# Altium PCB EA08AI-V2.PcbDoc (continued)
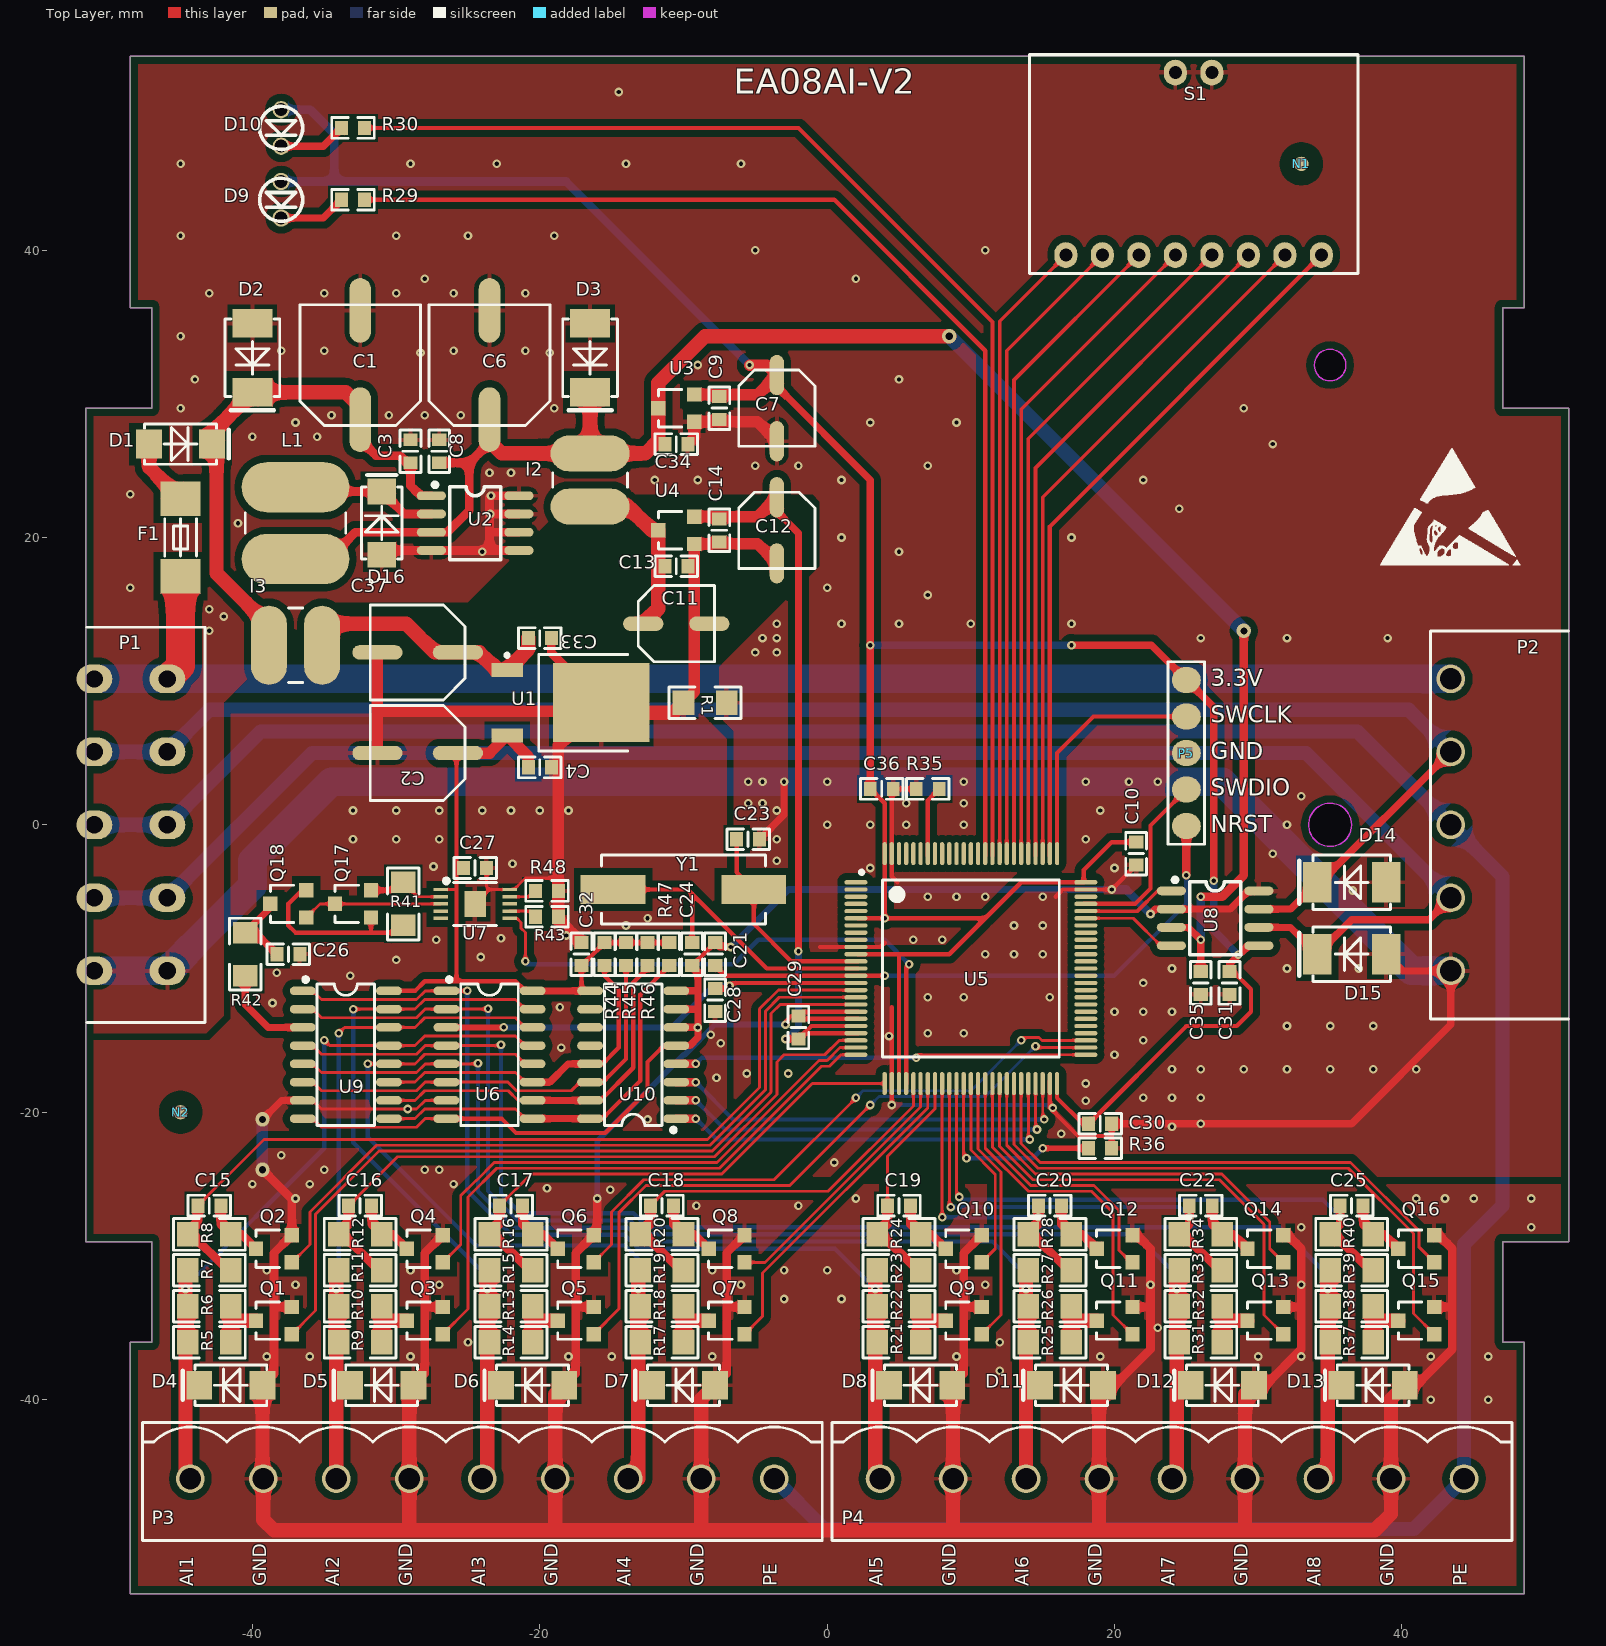
[diagram p0: Top Layer view]
## Nets (pads, with @x,y where several pads share a name; then routed paths per layer and width w, separated by ;. In a path a pad name is that pad's centre, name@x,y a point inside that pad or via, vN(x,y) a via of type N, cw(c..) or ccw(c..) an arc to the next point about the centre after c; other vN are vias at no path point)
3.3V: C7.1 C9.2 C10.2 C30.2 C31.2 C36.2 D9.1 D10.1 P5.1 U3.2 U5.6 U5.11 U5.28 U5.50 U5.75 U5.100 U8.5 | length 204.6
  Top Layer w0.3: U5.11@2.146,-9 8.5,-9 11,-6.5 ; U5.6@2.146,-6.5 v1(4,-6.5) ; C36.2 4,1.5 4,-2.146 v1(4,-6.5) ; U5.28@5,-17.854 5,-9.1 ; U5.50@16,-17.854 16,-19 17.8,-20.8 C30.2 25,-14 28.5,-14 29.5,-13 29.5,-11.447 28.253,-10.2 C31.2 ; C10.2 19.8,-1.2 17.854,-3.146 17.854,-4 13.5,-4 11,-6.5 ; v1(4,-6.5) 11,-6.5
  Top Layer w0.5: C7.1 -3.5,30.5 3,24 C36.2 ; v1(17,12.5) 22.58,12.5 P5.1 26.9,8.18 v1(26.9,-3.9) ; C31.2 28,-9.7 29.295,-8.405 U8.5
  Top Layer w0.8: U3.2 -4.85,29.95 C7.1 -4.2,32 v1(-5.4,32)
  Bottom Layer w0.5: v1(3,12.5) v1(17,12.5) ; v1(26.9,-3.9) 26.9,-7.34 v1(28.6,-9.04)
  Bottom Layer w0.6: D9.1 -34.3,44.77 ; D10.1 -35.97,49.77 -34.3,48.1 -34.3,44.77 ; v1(-5.4,32) -18.17,44.77 -34.3,44.77
5V: C6.1 C8.2 C34.2 C35.2 D3.2 I2.2 L1.2 U2.3 U3.3 U8.3 | length 122
  Top Layer w0.5: U8.3 25.135,-7.135 v1(26,-8) C35.2
  Top Layer w0.6: L1.2 -34.7,18.5 -32.835,20.365 U2.3 -26.435,20.365 -24.9,21.9 -24.9,25.2 ; C8.2 -24.9,25.2 ; C6.1 -23.5,26.7 -23.5,26.6 -24.9,25.2 ; v1(26,-5) 27.5,-5 29,-3.5 v2(29,13.5)
  Top Layer w1: C6.1@-23.5,26.7 -22.65,25.85 I2.2 ; D3.2 I2.2 ; v2(8.5,34) -8.5,34 -11.75,30.75 U3.3 -11.75,26.75 -12.65,25.85 I2.2
  Bottom Layer w0.6: v1(26,-8) v1(26,-5)
  Bottom Layer w1: v2(8.5,34) v2(29,13.5)
24V: C1.1 C3.2 D1.2 D2.2 I3.2 U2.1 | length 38.1
  Top Layer w0.6: C1.1 -32.5,26.8 -31.4,25.7 -29.753,25.7 -29.253,25.2 C3.2 -29,23.6 -28.305,22.905 U2.1
  Top Layer w1: I3.2 -38.85,13.85 -42.5,17.5 -42.5,26.2 D1.2 -42.8,27.3 D2.2 -33.5,30.1 -32.5,29.1 C1.1
A: R44.1 U6.11 U9.11 U10.13 | length 23.7
  Top Layer w0.2: U9.11 -28.675,-17.905 -28.005,-17.235 -21.695,-17.235 -21.025,-17.905 U6.11
  Top Layer w0.3: U10.13 -15.635,-16.635 -14.5,-15.5 -14.5,-11.5 -15.5,-10.5 R44.1
  Top Layer w0.5: U6.11 -19.305,-17.905 -18.035,-16.635 U10.13
A3.3V: C12.1 C14.2 C29.2 U4.2 U5.21 U5.22 | length 54.1
  Top Layer w0.3: C12.1@-3.5,22.5 C12.1 ; C29.2 C29.2@-1.6,-14.5 ; U5.22@2.146,-14.5 U5.22 C29.2@-1.6,-14.5 ; U5.21@2.146,-14 -1.1,-14 C29.2@-1.6,-14.5
  Top Layer w0.5: C12.1@-3.5,22.5 -3.5,21.8 -2,20.3 v1(-2,-8.8) ; v1@-2.8,-14.9 C29.2
  Top Layer w0.8: U4.2 -4.85,21.45 C12.1
  Bottom Layer w0.5: v1(-2.9,-14.9) -2.839,-14.9 -2,-14.061 v1(-2,-8.8)
A12V: C2.1 C4.2 C27.2 C32.2 R44.2 R45.2 R46.2 R47.2 U1.3 U6.16 U7.1 U9.16 U10.9 | length 46.3
  Top Layer w0.2: U7.1 -25.8,-4.5
  Top Layer w0.3: U9.16 -28.675,-11.555 -28.005,-10.885 -25.8,-10.885 ; C2.1 -25.8,4.9 -25.8,-4.5 -25.8,-10.885 ; U6.16 -21.025,-11.555 -21.695,-10.885 -25.8,-10.885 ; U10.9@-17.1,-11.555 C32.2 R44.2 R45.2 R46.2 R47.2
  Top Layer w0.5: U6.16 U10.9@-17.1,-11.555
  Top Layer w0.8: C2.1 -23.495,5 U1.3 -20.8,4.745 C4.2
AGND: C2.2 C4.1 C11.2 C12.2 C13.1 C14.1 C26.2 C27.1 C28.1 C29.1 C32.1 C33.1 C37.2 D4.1 D5.1 D6.1 D7.1 D8.1 D11.1 D12.1 D13.1 P3.2 P3.4 P3.6 P3.8 P4.2 P4.4 P4.6 P4.8 Q1.2 Q2.2 Q3.2 Q4.2 Q5.2 Q6.2 Q7.2 Q8.2 Q9.2 Q10.2 Q11.2 Q12.2 Q13.2 Q14.2 Q15.2 Q16.2 R1.2 R43.2 R48.2 U1.2 U4.1 U5.19 U5.20 U6.7 U7.10 U7.11 U9.7 | length 392.3
  Top Layer w0.2: U9.7 -35.795,-19.175 -35.195,-19.775 -28.571,-19.775 -27.971,-19.175 U6.7 ; U7.11 -23.5,-4.5 ; C27.1 -23.7,-4.3 -23.5,-4.5 ; -18.7,-3.7 -21,-3.7 -21.8,-4.5 U7.10 -23.5,-4.5
  Top Layer w0.3: v1@-3,-13.8 -2.5,-13.3 C29.1 ; U5.20@2.146,-13.5 -1.8,-13.5 C29.1 ; U5.19@2.146,-13 -1.7,-13 C29.1
  Top Layer w0.5: v2(-39.3,-20.5) -37.975,-19.175 U9.7
  Top Layer w0.6: D4.1 -38.5,-38.2 -38.5,-29.8 Q2.2 -37.25,-26.05 v2(-39.3,-24) ; -38.45,-33.55 Q1.2 ; D5.1@-28,-38.2 -28,-29.8 Q4.2 ; -27.95,-33.55 Q3.2 ; C33.1 -19.2,11.975 U1.2 ; D6.1@-17.5,-38.2 -17.5,-29.8 Q6.2 -16,-28.3 v1(-16,-26) ; -17.45,-33.55 Q5.2 ; D7.1@-7,-38.2 -7,-29.8 Q8.2 ; -6.95,-33.55 Q7.2 ; D8.1@9.5,-38.2 9.5,-29.8 Q10.2 ; 9.55,-33.55 Q9.2 ; D11.1 20,-39 22.5,-36.5 22.5,-33.5 ; Q11.2 22.45,-33.55 22.5,-33.5 ; Q12.2 21.55,-28.55 22.5,-29.5 22.5,-33.5 ; D12.1@30.5,-39 33,-36.5 33,-29.5 Q14.2@32.05,-28.55 ; Q13.2 32.95,-33.55 ; D13.1@41,-39 43.5,-36.5 43.5,-29.5 Q16.2@42.55,-28.55 ; Q15.2 43.45,-33.55
  Top Layer w0.8: C2.2 C37.2 ; -31.2,7.9 -15.725,7.9 -18.7,5.525 -18.7,-3.7 R48.2 R43.2 -18.7,-6.6 C32.1 ; R1.2 -9.25,9.25 C11.2@-9.25,14 ; C11.2 C11.2@-9.25,14 ; C12.2 -4.85,19.55 U4.1 C11.2@-9.25,14
  Top Layer w1: D4.1 -39.3,-45.44 P3.2 -39.24,-48.36 -38.5,-49.1 38.1,-49.1 39.24,-47.96 P4.8 39.24,-39.96 D13.1 ; -29.08,-49.02 P3.4 -29.08,-39.28 D5.1 ; -18.92,-48.98 P3.6 -18.92,-39.62 D6.1 ; U1.2 -15.025,7.8 -10.7,7.8 R1.2 ; -8.76,-48.94 P3.8 -8.76,-39.96 D7.1 ; D8.1 8.76,-39.06 P4.2 8.76,-49.04 ; 18.92,-48.52 P4.4 18.92,-39.28 D11.1 ; 29.08,-48.98 P4.6 29.08,-39.62 D12.1
  Bottom Layer w0.4: v1(-16,-26) -16,-22 -10,-16 -9.91,-16 -7.81,-13.9 v1(-2.9,-13.9)
  Bottom Layer w0.8: v2(-39.3,-24) v2(-39.3,-20.5)
  other v1: 42,-40 46,-40 12,-38 -39,-37 -36,-37 -29,-37 -18,-37 -15,-37 -8,-37 9,-37 19,-37 30,-37 33,-37 42,-37 46,-37 -25,-36 12,-36 23,-35 -3,-33 1,-33 -37,-32 -27,-32 -6,-32 11,-32 22.5,-32 33,-32 -39,-31 -29,-31 -8,-31 -3,-31 0,-31 9,-31 33,-28 49,-28 -9.1,-26.5 -2,-26.5 -37,-26 2,-26 41,-26 43,-26 45,-26 49,-26 -15.1,-25.4 -19.5,-25.3 -40,-25 -36,-25 -26,-25 -35,-24 -28,-24 -27,-24 -38,-23 -12.5,-20.5 -29.2,-19.775 -7.7,-17.6 -18.5,-15.5 -7.4,-15.2 -8.1,-14.6 -18.6,-12.7 -38.6,-12.4 -33.2,-10.5 -38.3,-10.3 -30,-9.4 -24.1,-9.2 -27.2,-8 -22.7,-7.9 -18.163,-7.703 -14,-7 -12.5,-6.5 -27.4,-2.9 -21.9,-2.7 -33,-1 -30,-1 -27,-1 -33,1 -30,1 -27,1 -24,1 -22,1 -20,1 -18,1
B: R46.1 U6.10 U9.10 U10.15 | length 26
  Top Layer w0.2: U9.10 -28.675,-19.175 -28.005,-18.505 -22.195,-18.505 -21.525,-19.175 U6.10
  Top Layer w0.3: U10.15 -15.775,-19.175 -13.5,-16.9 -13.5,-10.967 -12.5,-9.967 R46.1
  Top Layer w0.5: U6.10 U10.15
C: R47.1 U6.9 U9.9 U10.16 | length 27.5
  Top Layer w0.2: U9.9 -28.675,-20.445 -28.005,-19.775 -21.695,-19.775 U6.9@-21.025,-20.445
  Top Layer w0.3: U10.16 -15.645,-20.445 -13,-17.8 -13,-11.8 R47.1
  Top Layer w0.5: U6.9 U10.16
CAN-H: D14.2 P1.2 P2.4 U8.7 | length 114.6
  Top Layer w0.5: U8.7 32.235,-5.865 D14.2 34.32,-4 P2.4
  Bottom Layer w1: P1.2@-50.85,5.08 -45.92,5.08 -43,8 40.48,8 P2.4
CAN-L: D15.2 P1.4 P2.2 U8.6 | length 118.5
  Top Layer w0.5: U8.6 32.235,-7.135 D15.2 36.5,-6.6 41.88,-6.6 P2.2
  Bottom Layer w1: P1.4@-51,-5.08 -45.92,-5.08 -35.84,5 33.32,5 P2.2
CAN-RXD: U5.70 U8.4 | length 6.9
  Top Layer w0.2: U5.70@17.854,-6.5 21.3,-6.5 23.205,-8.405 U8.4
CAN-TXD: U5.71 U8.1 | length 6.7
  Top Layer w0.25: U5.71@17.854,-6 21.6,-6 23.005,-4.595 U8.1
DA1: U5.29 U7.6 | length 40.3
  Top Layer w0.2: U7.6 -21.6,-6.5 -21.3,-6.8 -21.3,-7.2 -21,-7.5 v1(-21,-9.5)
  Top Layer w0.3: U5.29 5.5,-9.9 v1(5.7,-9.7)
  Bottom Layer w0.3: v1@-21,-9.6 -20.9,-9.7 -6.5,-9.7 -4.8,-8 4,-8 v1(5.7,-9.7)
GND: C1.2 C3.1 C6.2 C7.2 C8.1 C9.1 C10.1 C21.1 C23.1 C24.1 C30.1 C31.1 C34.1 C35.1 C36.1 D2.1 D3.1 D14.1 D15.1 D16.1 P1.5 P2.1 P5.3 R1.1 R35.2 R36.2 S1.12 S1.13 U2.4 U2.5 U2.6 U2.7 U2.8 U3.1 U5.10 U5.27 U5.49 U5.74 U5.99 U6.8 U8.2 U8.8 U9.8 U10.5 U10.6 U10.7 U10.8 | length 304.4
  Top Layer w0.2: U9.8 -35.795,-20.445 -35.195,-21.045 -28.571,-21.045 -27.971,-20.445 U6.8
  Top Layer w0.3: U6.8 -22.655,-20.445 -21.65,-21.45 -15.45,-21.45 -12.5,-18.5 -12.5,-16.5 -11.365,-15.365 U10.5 ; C24.1 -8.6,-9 C21.1 ; -0.5,-8.5 3.7,-8.5 4,-8.2 ; v1(4.5,-19.5) 4.5,-12.7 ; 4.9,-4 4.5,-3.6 4.5,2.4 C36.1 R35.2 ; U5.49@15.5,-17.854 15.5,-19.7 17.45,-21.65 19.75,-21.65 19.8,-21.7 ; 15.9,-5 16.4,-4.5 U5.74 v1(19.8,-4.5) C10.1 ; R36.2 19.8,-21.7 ; C30.1 19.8,-21.7
  Top Layer w0.5: U10.5 -9.565,-15.365 -9,-14.8 v1(-9,-14.1) -9,-10.2 C24.1 ; U10.6 v1@-9.095,-14.095 ; U10.7 -9.025,-12.825 ; U10.8 -9.045,-11.555 ; C21.1 -7.5,-8.5 v1(-6.7,-8.5) ; C23.1 -3,0.7 v1(-3,3) ; C30.1 36.5,-20.8 43.4,-13.9 P2.1 40.06,-10.16 D15.1 ; v1(22.5,-6.2) 22.835,-5.865 U8.2 28.035,-5.865 29.305,-4.595 U8.8
  Top Layer w0.6: D16.1 -30.705,19.095 U2.4 -23.5,19.095 ; -23.465,20.365 U2.6 ; v1(-23.435,21.635) U2.7 ; U2.5 -23.5,19.095 ; U2.8 v1(-23.395,22.905) -23.5,22.8 -23.5,19.095
  Top Layer w0.8: C34.1 -9.25,26.95 U3.1 -4.85,28.05 C7.2
  Bottom Layer w0.3: v1(4.5,-19.5) 15.5,-19.5 v1(15.7,-19.7)
  Bottom Layer w0.5: v1(-6.7,-8.5) -2.7,-4.5 v1(19.8,-4.5)
  Bottom Layer w0.6: v1(19.8,-4.5) 20.8,-4.5 v1(22.5,-6.2)
  Bottom Layer w2: P1.5@-50.35,-10.16 -45.92,-10.16 -40,-4.24 -40,-2.5 -34.5,3 v1(-3,3) v1(0,3) v1(9.5,3) v1(18,3) v1(21,3) v1(23,3) 27.5,3 40.66,-10.16 P2.1
  other v1: 0.5,-23.5 16.3,-21.5 24,-21 26,-20.8 18,-19.2 22,-19 24,-19 26,-19 18,-18 -5.6,-17.3 -2.7,-17.3 24,-17 26,-17 29,-17 32,-17 35,-17 38,-17 41,-17 20,-16 22,-15 4.3,-14.7 7,-14.5 9.5,-14.5 32,-14 35,-14 38,-14 20,-13 22,-13 24,-13 7,-12 9.5,-12 15.5,-12 22,-11 24,-10 32,-10 37,-10 11,-9 13,-9 15,-9 6,-8 8,-8 13,-7 15,-7 7,-5 9,-5 11,-5 15,-5 36.564,-4.571 3,-3 20,-3 -3.5,-2.5 31,-2 -3.5,-1 18,-1 0,0 3,0 5.5,0 9.5,0 32,0 -3.5,1 19,1 -5.5,1.5 -4.5,1.5 5.5,1.5 9.5,1.5 33,2 -5.5,3 -4.5,3 -5,12 -3.5,12 -4.5,13 -3.5,13 26,13 32,13 39,13 -43,13.5 -3.5,14 1,14 5,14 10,14 17,14 -42,14.5 -43,15 7,16 -48.5,16.5 0,16.5 -24,19 5,19 1,20 17,20 -41,21 24.5,22 -48.5,23 -12,24 -9,24 1,24 22,24 -23.5,24.5 -22,24.5 -5,25 -2,25 7,25 31,26.5 -40,27 -35.5,27 -37,28 3,28 9,28 -34.5,28.5 -30.5,28.5 -28,28.5 -25.5,28.5 -45,29 -19,29 29,29 -44,31 5,31 -9,32 -28.3,32.85 -19.3,32.85 -38,33 -35,33 -26,33 -21,33 -45,34 -43,37 -35,37 -30,37 -26,37 -21,37 -28,38 2,38 -5,40 11,40 -45,41 -30,41 -25,41 -19,41 -45,46 -29,46 -23,46 -14,46 -6,46 -14.5,51
INH: R45.1 U6.6 U9.6 U10.14 | length 30.7
  Top Layer w0.2: U9.6 -35.795,-17.905 -35.195,-18.505 -28.571,-18.505 -27.971,-17.905 U6.6 -22.229,-17.905 -21.629,-18.505 -17.805,-18.505 -17.205,-17.905 U10.14
  Top Layer w0.3: U10.14 -15.605,-17.905 -14,-16.3 R45.1
NetC11_1: C11.1 C13.2 I2.1 U4.3 | length 12.4
  Top Layer w1: I2.1 -13.85,22.15 -12.2,20.5 U4.3 -11.75,15.05 C11.1
NetC15_1: C15.1 Q2.3 R8.1 | length 4.5
  Top Layer w0.6: C15.1 -42.2,-27.8 R8.1 -40.75,-28.5 Q2.3
NetC16_1: C16.1 Q4.3 R12.1 | length 4.5
  Top Layer w0.6: C16.1 -31.7,-27.8 R12.1 -30.25,-28.5 Q4.3
NetC17_1: C17.1 Q6.3 R16.1 | length 4.5
  Top Layer w0.6: C17.1 -21.2,-27.8 R16.1 -19.75,-28.5 Q6.3
NetC18_1: C18.1 Q8.3 R20.1 | length 4.5
  Top Layer w0.6: C18.1 -10.7,-27.8 R20.1 -9.25,-28.5 Q8.3
NetC19_1: C19.1 Q10.3 R24.1 | length 4.5
  Top Layer w0.6: C19.1 5.8,-27.8 R24.1 7.25,-28.5 Q10.3
NetC20_1: C20.1 Q12.3 R28.1 | length 4.5
  Top Layer w0.6: C20.1 16.3,-27.8 R28.1 17.75,-28.5 Q12.3
NetC22_1: C22.1 Q14.3 R34.1 | length 4.5
  Top Layer w0.6: C22.1 26.8,-27.8 R34.1 28.25,-28.5 Q14.3
NetC23_2: C23.2 U5.12 Y1.2 | length 14.8
  Top Layer w0.3: C23.2 -6.3,-3.3 Y1.2 ; Y1.2@-5.2,-4.5 Y1.2 ; U5.12@2.146,-9.5 -2.5,-9.5 -5.1,-6.9 Y1.2
NetC24_2: C24.2 U5.13 Y1.1 | length 22.2
  Top Layer w0.3: Y1.1@-14.4,-4.5 -9.7,-4.5 -9.4,-4.8 ; C24.2 -9.4,-4.8 ; U5.13@2.146,-10 -4.2,-10 -9.4,-4.8
NetC25_1: C25.1 Q16.3 R40.1 | length 4.5
  Top Layer w0.6: C25.1 37.3,-27.8 R40.1 38.75,-28.5 Q16.3
NetC26_1: C26.1 Q18.3 R42.2 | length 5.5
  Top Layer w0.5: Q18.3 -38.75,-5.75 R42.2 -39.8,-7.5 C26.1
NetC33_2: C33.2 C37.1 I3.1 U1.1 | length 17.9
  Top Layer w1: I3.1 -35.15,12.95 -34.1,14 -29.3,14 -27.3,12 C37.1 -24.2,12 -22.98,10.78 U1.1 -20.8,12.255 C33.2
NetD1_1: D1.1 F1.2 | length 4.7
  Top Layer w1: D1.1 -47.2,24.9 F1.2
NetD9_2: D9.2 R29.2 | length 4.7
  Top Layer w0.5: D9.2 -35.07,42.23 R29.2
NetD10_2: D10.2 R30.2 | length 4.7
  Top Layer w0.5: D10.2 -35.07,47.23 R30.2
NetD16_2: D16.2 L1.1 U2.2 | length 10.2
  Top Layer w0.6: L1.1 -36.7,23.2 D16.2 -29.435,21.635 U2.2
NetQ1_3: Q1.3 R5.1 R6.1 | length 4.2
  Top Layer w1: R5.1 R6.1 ; -41.4,-34.5 Q1.3
NetQ3_3: Q3.3 R9.1 R10.1 | length 4.2
  Top Layer w1: R9.1 R10.1 ; -30.9,-34.5 Q3.3
NetQ5_3: Q5.3 R13.1 R14.1 | length 4.2
  Top Layer w1: R14.1 R13.1 ; -20.4,-34.5 Q5.3
NetQ7_3: Q7.3 R17.1 R18.1 | length 4.2
  Top Layer w1: R17.1 R18.1 ; -9.9,-34.5 Q7.3
NetQ9_3: Q9.3 R21.1 R22.1 | length 4.2
  Top Layer w1: R21.1 R22.1 ; 6.6,-34.5 Q9.3
NetQ11_3: Q11.3 R25.1 R26.1 | length 4.2
  Top Layer w1: R25.1 R26.1 ; 17.1,-34.5 Q11.3
NetQ13_3: Q13.3 R31.1 R32.1 | length 4.2
  Top Layer w1: R31.1 R32.1 ; 27.6,-34.5 Q13.3
NetQ15_3: Q15.3 R37.1 R38.1 | length 4.2
  Top Layer w1: R37.1 R38.1 ; 38.1,-34.5 Q15.3
NetQ17_1: Q17.1 Q18.2 R41.2 | length 12.6
  Top Layer w0.3: Q18.2 -36.55,-4.55 -37.5,-5.5 -37.5,-7 -37,-7.5 -30,-7.5 R41.2 ; -31.75,-7.45 Q17.1
NetQ17_2: Q17.2 R41.1 U7.2 | length 5.5
  Top Layer w0.2: R41.1 -28.5,-5 U7.2
  Top Layer w0.4: Q17.2 -30.05,-4.55 R41.1
NetQ17_3: Q17.3 Q18.1 U7.3 | length 9.7
  Top Layer w0.2: Q18.1 -35.3,-5.5 Q17.3 U7.3
NetR35_1: R35.1 U5.94 | length 5
  Top Layer w0.3: U5.94@7,-2.146 7,1.7 R35.1
NetR36_1: R36.1 U5.37 | length 14.2
  Top Layer w0.2: U5.37@9.5,-17.854 9.5,-23 v1(9.7,-23.2)
  Top Layer w0.4: v1(15,-22.5) R36.1
  Bottom Layer w0.3: v1(9.7,-23.2) 14.3,-23.2 v1(15,-22.5)
NetR43_1: R43.1 U7.7 | length 2
  Top Layer w0.2: U7.7 -20.7,-6 R43.1
NetR48_1: R48.1 U7.9 | length 2
  Top Layer w0.2: U7.9 -20.7,-5 R48.1
NRST: C21.2 P5.5 U5.14 | length 40.6
  Top Layer w0.3: C21.2 -7.1,-10.5 2.146,-10.5 v1(4,-10.5)
  Top Layer w0.6: v1(25,-3.5) P5.5
  Bottom Layer w0.3: v1(4,-10.5) 19.965,-10.5 25,-5.465 v1(25,-3.5)
PE: P1.3 P2.3 P3.9 P4.9 | length 198.8
  Bottom Layer w1: P1.3@-51,0 -45.92,0 -39.42,6.5 36.9,6.5 P2.3 47,-3.6 47,-26.5 44.32,-29.18 P4.9 40.82,-49 -0.18,-49 P3.9
SWCLK: P5.2 U5.76 | length 17.2
  Top Layer w0.3: U5.76@16,-2.146 16,5 18.54,7.54 P5.2
SWDIO: P5.4 U5.72 | length 13
  Top Layer w0.3: U5.72@17.854,-5.5 21.428,-5.5 22.5,-4.428 22.5,-0.04 P5.4
VCC: F1.1 P1.1 P2.5 | length 101.3
  Top Layer w2: P1.1@-45.92,10.16 -45,11.08 F1.1
  Bottom Layer w2: P1.1@-50.35,10.16 -45.92,10.16 P2.5
地址1: S1.1 U5.84 | length 43.7
  Top Layer w0.25: U5.84@12,-2.146 12,35.04 S1.1
地址2: S1.2 U5.83 | length 44.6
  Top Layer w0.25: U5.83@12.5,-2.146 12.5,33 S1.2
地址3: S1.3 U5.82 | length 45.4
  Top Layer w0.25: U5.82@13,-2.146 13,30.96 S1.3
地址4: S1.4 U5.81 | length 46.2
  Top Layer w0.25: U5.81@13.5,-2.146 13.5,28.92 S1.4
地址5: S1.5 U5.80 | length 47.1
  Top Layer w0.25: U5.80@14,-2.146 14,26.88 S1.5
恒流源输出: R42.1 U9.3 | length 6.7
  Top Layer w0.5: R42.1 -40.5,-12.5 -38.905,-14.095 U9.3
故障指示灯: R29.1 U5.86 | length 82.7
  Top Layer w0.3: R29.1 0.5,43.5 11,33 U5.86@11,-2.146
模拟开关使能: U5.48 U10.3 | length 29.2
  Top Layer w0.2: v1@15,-20.4 U5.48@15,-17.854
  Top Layer w0.6: U10.3 v1(-9.145,-17.905)
  Bottom Layer w0.3: v1(-9.145,-17.905) -6.55,-20.5 v1(15.1,-20.5)
波特率1: S1.6 U5.79 | length 47.9
  Top Layer w0.25: U5.79@14.5,-2.146 14.5,24.84 S1.6
波特率2: S1.7 U5.78 | length 48.8
  Top Layer w0.25: U5.78@15,-2.146 15,22.8 S1.7
波特率3: S1.8 U5.77 | length 49.6
  Top Layer w0.3: U5.77@15.5,-2.146 15.5,20.76 S1.8
运行指示灯: R30.1 U5.85 | length 86.4
  Top Layer w0.3: R30.1 -2,48.5 11.5,35 U5.85@11.5,-2.146
通道1: D4.2 P3.1 R5.2 R6.2 R7.2 U6.13 U9.13 | length 51.1
  Top Layer w0.2: v1(-35,-15) -34.635,-15.365 U9.13 -28.675,-15.365 -28.005,-14.695 -21.695,-14.695 -21.025,-15.365 U6.13
  Top Layer w1: P3.1@-44.66,-45.5 v1(-44.66,-32.3) -44.66,-31.16 R7.2
  Bottom Layer w0.3: v1(-44.66,-32.3) -44.66,-32.16 -35,-22.5 v1(-35,-15)
通道1分压器使能: Q2.1 U5.17 | length 51.4
  Top Layer w0.2: Q2.1 -36,-29.2 -36,-26.934 -31.366,-22.3 -8.163,-22.3 -4.3,-18.437 -4.3,-12.969 -3.331,-12 U5.17
通道1取样电阻使能: Q1.1 U5.18 | length 55.9
  Top Layer w0.2: Q1.1 -35.6,-33.8 -35.6,-27.1 -31.2,-22.7 -7.997,-22.7 -3.9,-18.603 -3.9,-13.134 -3.266,-12.5 U5.18
通道1电压/电流: C15.2 R7.1 R8.2 U5.16 | length 61.5
  Top Layer w0.2: C15.2 -39.2,-21.9 -8.328,-21.9 -4.7,-18.272 -4.7,-12.803 -3.397,-11.5 U5.16
  Top Layer w0.6: C15.2 -43.8,-27.8 R8.2 -44.2,-28.5 -41.7,-31 R7.1
通道2: D5.2 P3.3 R9.2 R10.2 R11.2 U6.14 U9.14 | length 46.7
  Top Layer w0.2: v1(-34,-14.5) -33.595,-14.095 U9.14 -28.675,-14.095 -28.005,-13.425 -21.695,-13.425 -21.025,-14.095 U6.14
  Top Layer w1: P3.3 v1(-34.16,-32.3) -34.16,-31.16 R11.2
  Bottom Layer w0.3: v1(-34.16,-32.3) -34,-32.14 v1(-34,-14.5)
通道2分压器使能: Q4.1 U5.24 | length 36.9
  Top Layer w0.2: Q4.1 -25.5,-29.2 -25.5,-25.8 -24.45,-24.75 -24.416,-24.75 -23.166,-23.5 -7.666,-23.5 -0.566,-16.4 0,-16.4 0.9,-15.5 U5.24
通道2取样电阻使能: Q3.1 U5.25 | length 41.4
  Top Layer w0.2: Q3.1 -25,-33.7 -25,-25.9 -23,-23.9 -7.5,-23.9 -0.4,-16.8 0.166,-16.8 0.966,-16 U5.25
通道2电压/电流: C16.2 R11.1 R12.2 U5.23 | length 47.7
  Top Layer w0.2: C16.2 -29.9,-23.1 -7.831,-23.1 -3.5,-18.769 -3.5,-16.5 -3,-16 -0.166,-16 0.834,-15 U5.23
  Top Layer w0.6: C16.2 -33.3,-27.8 R12.2 -33.7,-28.5 -31.2,-31 R11.1
通道3: D6.2 P3.5 R13.2 R14.2 R15.2 U6.15 U9.15 | length 50.9
  Top Layer w0.2: v1(-32.975,-12.825) U9.15 -28.675,-12.825 -28.005,-12.155 -21.695,-12.155 -21.025,-12.825 U6.15
  Top Layer w1: P3.5@-23.66,-45.5 -23.66,-31.16 R15.2
  Bottom Layer w0.3: v1(-32.975,-12.825) -32.975,-22.125 -23.66,-31.44 v1(-23.66,-32.3)
通道3分压器使能: Q6.1 U5.53 | length 42.1
  Top Layer w0.2: Q6.1 -15,-29.2 -15,-26.934 -12.766,-24.7 -3.7,-24.7 v1(2,-19) ; v1(13.5,-15) 13.7,-14.8 14.749,-14.8 14.949,-15 U5.53
  Bottom Layer w0.2: v1(2,-19) 2.5,-18.5 10,-18.5 v1(13.5,-15)
通道3取样电阻使能: Q5.1 U5.52 | length 46.5
  Top Layer w0.2: Q5.1 -14.5,-33.7 -14.5,-27 -12.6,-25.1 -2.6,-25.1 v1(3,-19.5) ; v1(14.5,-15.4) 14.6,-15.5 U5.52
  Bottom Layer w0.2: v1(3,-19.5) 3.6,-18.9 11,-18.9 v1(14.5,-15.4)
通道3电压/电流: C17.2 R15.1 R16.2 U5.26 | length 36.8
  Top Layer w0.2: C17.2 -20.6,-24.3 -7.334,-24.3 -1.034,-18 U5.26 U5.26@4,-17.854
  Top Layer w0.6: C17.2 -22.8,-27.8 R16.2 -23.2,-28.5 -20.7,-31 R15.1
通道4: D7.2 P3.7 R17.2 R18.2 R19.2 U6.12 U9.12 | length 56.1
  Top Layer w0.2: v1(-31.965,-16.635) U9.12 -28.675,-16.635 -28.005,-15.965 -21.695,-15.965 -21.025,-16.635 U6.12
  Top Layer w1: P3.7@-13.16,-45.5 v1(-13.16,-32.3) -13.16,-31.16 R19.2
  Bottom Layer w0.3: v1(-31.965,-16.635) -31.965,-21.735 -24.43,-29.27 -14.065,-29.27 -13.16,-30.175 v1(-13.16,-32.3)
通道4分压器使能: Q8.1 U5.31 | length 18.5
  Top Layer w0.2: Q8.1 -4.319,-30.45 6.5,-19.631 U5.31@6.5,-17.854
通道4取样电阻使能: Q7.1 U5.32 | length 22.9
  Top Layer w0.2: Q7.1 -4.5,-34.2 -4.5,-31.197 7,-19.697 U5.32@7,-17.854
通道4电压/电流: C18.2 R19.1 R20.2 U5.30 | length 29.2
  Top Layer w0.2: C18.2 -11.3,-25.5 0.066,-25.5 6,-19.566 U5.30@6,-17.854
  Top Layer w0.6: C18.2 -12.3,-27.8 R20.2 -12.7,-28.5 -10.2,-31 R19.1
通道5: D8.2 P4.1 R21.2 R22.2 R23.2 U6.1 U9.1 | length 71.6
  Top Layer w0.2: U9.1 -35.795,-11.555 -35.195,-12.155 -28.571,-12.155 -27.971,-11.555 U6.1 v1(-25.055,-11.555)
  Top Layer w1: P4.1@3.34,-45.5 v1(3.34,-32.3) 3.34,-31.16 R23.2
  Bottom Layer w0.3: v1(-25.055,-11.555) -25.055,-25.445 -21.972,-28.528 -14.1,-28.528 -13.128,-29.5 0.54,-29.5 v1(3.34,-32.3)
通道5分压器使能: Q10.1 U5.38 | length 13.7
  Top Layer w0.2: U5.38@10,-17.854 10,-22.631 11.7,-24.331 11.7,-29.5 Q10.1
通道5取样电阻使能: Q9.1 U5.39 | length 19
  Top Layer w0.2: U5.39@10.5,-17.854 10.5,-22.566 12.1,-24.166 12.1,-34.1 Q9.1
  Top Layer w0.3: Q9.1 Q9.1@10.95,-35.45
通道5电压/电流: C19.2 R23.1 R24.2 U5.33 | length 16.3
  Top Layer w0.2: C19.2 4.2,-23.063 7.5,-19.763 U5.33@7.5,-17.854
  Top Layer w0.6: C19.2 4.2,-27.8 R24.2 3.8,-28.5 6.3,-31 R23.1
通道6: D11.2 P4.3 R25.2 R26.2 R27.2 U6.5 U9.5 | length 77.7
  Top Layer w0.2: U9.5 -35.795,-16.635 -35.195,-17.235 -28.571,-17.235 -27.971,-16.635 U6.5 -24.335,-16.635 v1(-24.3,-16.6)
  Top Layer w1: P4.3 v1(13.84,-32.3) 13.84,-31.16 R27.2
  Bottom Layer w0.3: v1(-24.3,-16.6) -24.3,-25.493 -21.765,-28.028 -13.893,-28.028 -12.921,-29 11.5,-29 13.84,-31.34 v1(13.84,-32.3)
通道6分压器使能: Q12.1 U5.41 | length 19.3
  Top Layer w0.2: U5.41@11.5,-17.854 11.5,-22.434 14.166,-25.1 18.566,-25.1 20.3,-26.834 20.3,-29.6 21.15,-30.45 Q12.1
通道6取样电阻使能: Q11.1 U5.40 | length 24.4
  Top Layer w0.2: U5.40@11,-17.854 11,-22.5 14,-25.5 18.4,-25.5 19.9,-27 19.9,-34.1 Q11.1
通道6电压/电流: C20.2 R27.1 R28.2 U5.34 | length 22.5
  Top Layer w0.2: v1(8,-27.3) U5.34@8,-17.854
  Top Layer w0.6: C20.2 14.7,-27.8 R28.2 14.3,-28.5 16.8,-31 R27.1
  Bottom Layer w0.3: v1(8,-27.3) v1(14.7,-27.3)
通道7: D12.2 P4.5 R31.2 R32.2 R33.2 U6.2 U9.2 | length 92
  Top Layer w0.2: U9.2 -35.795,-12.825 -35.195,-13.425 -28.571,-13.425 -27.971,-12.825 U6.2 -23.625,-12.825 v1(-23.6,-12.8)
  Top Layer w1: P4.5@24.34,-45.5 24.34,-31.16 R33.2
  Bottom Layer w0.3: v1(-23.6,-12.8) -23.6,-25.486 -21.558,-27.528 -13.686,-27.528 -12.714,-28.5 21.5,-28.5 24.34,-31.34 v1(24.34,-32.3)
通道7分压器使能: Q14.1 U5.43 | length 28.2
  Top Layer w0.2: U5.43@12.5,-17.854 12.5,-22.303 14.497,-24.3 27.466,-24.3 30.8,-27.634 30.8,-29.5 Q14.1
通道7取样电阻使能: Q13.1 U5.42 | length 33.4
  Top Layer w0.2: U5.42@12,-17.854 12,-22.369 14.331,-24.7 27.3,-24.7 30.4,-27.8 30.4,-34.1 Q13.1
通道7电压/电流: C22.2 R33.1 R34.2 U5.35 | length 31.9
  Top Layer w0.2: U5.35@8.5,-17.854 8.5,-26.5 v1(8.6,-26.6)
  Top Layer w0.6: C22.2 v1(25.2,-27.3) 25.2,-27.8 R34.2 24.8,-28.5 27.3,-31 R33.1
  Bottom Layer w0.3: v1@8.7,-26.6 24.5,-26.6 v1(25.2,-27.3)
通道8: D13.2 P4.7 R37.2 R38.2 R39.2 U6.4 U9.4 | length 100.1
  Top Layer w0.2: U9.4 -35.795,-15.365 -35.195,-15.965 -28.571,-15.965 -27.971,-15.365 U6.4 -22.765,-15.365 v1(-22.7,-15.3)
  Top Layer w1: P4.7@34.84,-45.5 34.84,-31.16 R39.2
  Bottom Layer w0.3: v1(-22.7,-15.3) -22.7,-25.679 -21.351,-27.028 -13.521,-27.028 -13.5,-27.007 -12.507,-28 31.5,-28 34.84,-31.34 v1(34.84,-32.3)
通道8分压器使能: Q16.1 U5.45 | length 37.2
  Top Layer w0.2: U5.45@13.5,-17.854 13.5,-22.172 14.828,-23.5 36.428,-23.5 41.2,-28.272 41.2,-29.4 Q16.1
通道8取样电阻使能: Q15.1 U5.44 | length 42.4
  Top Layer w0.2: U5.44@13,-17.854 13,-22.237 14.663,-23.9 36.263,-23.9 40.8,-28.437 40.8,-34 Q15.1
通道8电压/电流: C25.2 R39.1 R40.2 U5.36 | length 41.4
  Top Layer w0.2: U5.36@9,-17.854 9,-25.7 v1(9.2,-25.9)
  Top Layer w0.6: C25.2 v1(35.7,-27.3) 35.7,-27.8 R40.2 35.3,-28.5 37.8,-31 R39.1
  Bottom Layer w0.3: v1@9.3,-25.9 9.5,-26.1 34.5,-26.1 v1(35.7,-27.3)
通道选择A: U5.51 U10.4 | length 28.6
  Top Layer w0.2: v1(6.2,-16.2) 6.4,-16 U5.51@17.854,-16
  Top Layer w0.6: U10.4 v1(-9.145,-16.635)
  Bottom Layer w0.3: v1(-9.145,-16.635) -8.71,-16.2 v1(6.2,-16.2)
通道选择B: U5.47 U10.2 | length 29.1
  Top Layer w0.2: v1@14.5,-21 U5.47@14.5,-17.854
  Top Layer w0.6: U10.2 v1(-9.145,-19.175)
  Bottom Layer w0.3: v1(-9.145,-19.175) -7.12,-21.2 v1(14.6,-21.2)
通道选择C: U5.46 U10.1 | length 29.3
  Top Layer w0.2: U5.46@14,-17.854 14,-21.8 v1(14.1,-21.9)
  Top Layer w0.6: U10.1 v1(-9.145,-20.445)
  Bottom Layer w0.3: v1(-9.145,-20.445) -7.69,-21.9 v1(14.1,-21.9)
采样电压输入: C28.2 U5.15 U6.3 | length 31
  Top Layer w0.3: U6.3 U6.3@-26.495,-14.1 ; v1(-6.8,-11.2) -6.6,-11 U5.15@2.146,-11
  Top Layer w0.4: U6.3 v1(-22.505,-14.095) ; C28.2 -7,-11.4 v1(-6.8,-11.2)
  Bottom Layer w0.4: v1(-22.505,-14.095) -10.815,-14.095 -7.92,-11.2 v1(-6.8,-11.2)
pads on no net: N1.1 N2.1 U5.1 U5.2 U5.3 U5.4 U5.5 U5.7 U5.8 U5.9 U5.54 U5.55 U5.56 U5.57 U5.58 U5.59 U5.60 U5.61 U5.62 U5.63 U5.64 U5.65 U5.66 U5.67 U5.68 U5.69 U5.73 U5.87 U5.88 U5.89 U5.90 U5.91 U5.92 U5.93 U5.95 U5.96 U5.97 U5.98 U7.4 U7.5 U7.8 U10.10 U10.11 U10.12

## Polygon pours and split planes (outlines as drawn)
GND on Top Layer "Bottom Layer-No Net" (solid, remove dead copper, pour order 4): -51.6,-14.5 -43,-14.5 -42,-13.5 -42,8.5 -35,15.5 -25,15.5 -17.5,23 -1,23 -0.5,22.5 -0.5,18.5 -0.5,18 -7.5,11 -7.5,7.5 -7,7 -6.5,6.5 -6.5,3.5 -6.5,-24 -6,-24.5 0.5,-24.5 51.6,-24.5 51.6,29 47,29 47,36 48.5,36 48.5,53.5 -48.5,53.5 -48.5,36 -47,36 -47,29 -51.6,29
AGND on Top Layer "Mechanical 15-No Net" (solid, remove dead copper, pour order 0): -51.6,-15 -43,-15 -42.5,-14.5 -41.5,-13.5 -41.5,-10 -41.5,0 -41.5,7.72 -8.72,7.72 -7,6 -7,-24 -6,-25 51.6,-25 51.6,-29 47,-29 47,-36 48.5,-36 48.5,-53.5 -48.5,-53.5 -48.5,-36 -47,-36 -47,-29 -51.6,-29
GND on Bottom Layer "Bottom Layer-No Net" (solid, remove dead copper, pour order 6): -51.6,-14.5 -43,-14.5 -42,-13.5 -42,8.5 -35,15.5 -25,15.5 -17.5,23 -1,23 -0.5,22.5 -0.5,18.5 -0.5,18 -7.5,11 -7.5,7.5 -7,7 -6.5,6.5 -6.5,3.5 -6.5,-24 -6,-24.5 0.5,-24.5 51.6,-24.5 51.6,29 47,29 47,36 48.5,36 48.5,53.5 -48.5,53.5 -48.5,36 -47,36 -47,29 -51.6,29
AGND on Bottom Layer "Mechanical 15-No Net" (solid, remove dead copper, pour order 2): -51.6,-15 -43,-15 -42.5,-14.5 -41.5,-13.5 -41.5,-10 -41.5,0 -41.5,7.72 -8.72,7.72 -7,6 -7,-24 -6,-25 51.6,-25 51.6,-29 47,-29 47,-36 48.5,-36 48.5,-53.5 -48.5,-53.5 -48.5,-36 -47,-36 -47,-29 -51.6,-29

## Keep-outs
Keep-Out Layer:
  circle w0.1: c35,32 r1.1
  circle w0.1: c35,0 r1.5
  lines w0.1: -51.6,-29 -47,-29 -47,-36 -48.5,-36 -48.5,-53.5 48.5,-53.5 48.5,-36 47,-36 47,-29 51.6,-29 51.6,29 47,29 47,36 48.5,36 48.5,53.5 -48.5,53.5 -48.5,36 -47,36 -47,29 -51.6,29 -51.6,-29

## Silkscreen, mask and mechanical layers (free items; w line width, h text height)
Top Overlay:
  drawing of 774 lines, arcs and shapes, not listed
  text "EA08AI-V2" at -6.5,50.3 h3
  text "3.3V" at 26.7,9.28 h2
  text "SWCLK" at 26.7,6.74 h2
  text "GND" at 26.7,4.2 h2
  text "SWDIO" at 26.7,1.66 h2
  text "NRST" at 26.7,-0.88 h2
  text "AI1" at -43.82,-53 h1.6 r90
  text "GND" at -38.74,-53 h1.6 r90
  text "AI2" at -33.66,-53 h1.6 r90
  text "GND" at -28.58,-53 h1.6 r90
  text "AI3" at -23.5,-53 h1.6 r90
  text "GND" at -18.42,-53 h1.6 r90
  text "AI4" at -13.34,-53 h1.6 r90
  text "GND" at -8.26,-53 h1.6 r90
  text "PE" at -3.18,-53 h1.6 r90
  text "AI5" at 4.18,-53 h1.6 r90
  text "GND" at 9.26,-53 h1.6 r90
  text "AI6" at 14.34,-53 h1.6 r90
  text "GND" at 19.42,-53 h1.6 r90
  text "AI7" at 24.5,-53 h1.6 r90
  text "GND" at 29.58,-53 h1.6 r90
  text "AI8" at 34.66,-53 h1.6 r90
  text "GND" at 39.74,-53 h1.6 r90
  text "PE" at 44.82,-53 h1.6 r90
Mechanical 15:
  lines w0.2: -42.4,-117.1 45.6,-117.1 ; -42.4,-111.1 45.6,-111.1 ; -42.4,-105.1 45.6,-105.1 ; -42.4,-99.1 45.6,-99.1 ; -42.4,-93.1 45.6,-93.1 ; -42.4,-87.1 45.6,-87.1 ; -42.4,-81.1 45.6,-81.1 ; -20.4,-123.1 -20.4,-75.1 -20.4,-69.1 ; -42.4,-75.1 -42.4,-123.1 45.6,-123.1 45.6,-75.1 ; -42.4,-75.1 45.6,-75.1 ; -42.4,-75.1 -42.4,-69.1 45.6,-69.1 45.6,-75.1
  text "公司" at -41.4,-74.1 h5
  text "杭州久天科技有限公司" at -17.4,-74.1 h5
  text "工程" at -41.4,-80.1 h5
  text "设计" at -41.4,-86.1 h5
  text "邵宁鹏" at -17.4,-86.1 h5
  text "日期" at -41.4,-92.1 h5
  text "板厚" at -41.4,-98.1 h5
  text "1.6mm" at -17.4,-98.1 h5
  text "阻焊油" at -41.4,-104.1 h5
  text "绿色" at -17.4,-104.1 h5
  text "丝印" at -41.4,-110.1 h5
  text "白色" at -17.4,-110.1 h5
  text "板材" at -41.4,-116.1 h5
  text "FR-4" at -17.4,-116.1 h5
  text "其他" at -41.4,-122.1 h5
  text "有铅喷锡，过孔盖油" at -17.4,-122.1 h5

## Dimensions
48.5,-53.5 to 48.5,53.5 on Mechanical 15
-51.6,-29 to 51.6,-29 on Mechanical 15